# Altium PCB LimeSDR-QPCIe_1v2.PcbDoc (part 9 of 21)
Units mm, origin at the board's own origin, x right, y up, seen from the top; angles counter-clockwise.
Board outline 190 x 111.15 mm, 14 copper layers (Top, L2, L3, L4, L5, L6, L7, L8, L9, L10, L11, L12, L13, Bottom), stack 1.907 mm thick; 2014 components, 1408 nets, 9111 pads, 4171 vias.
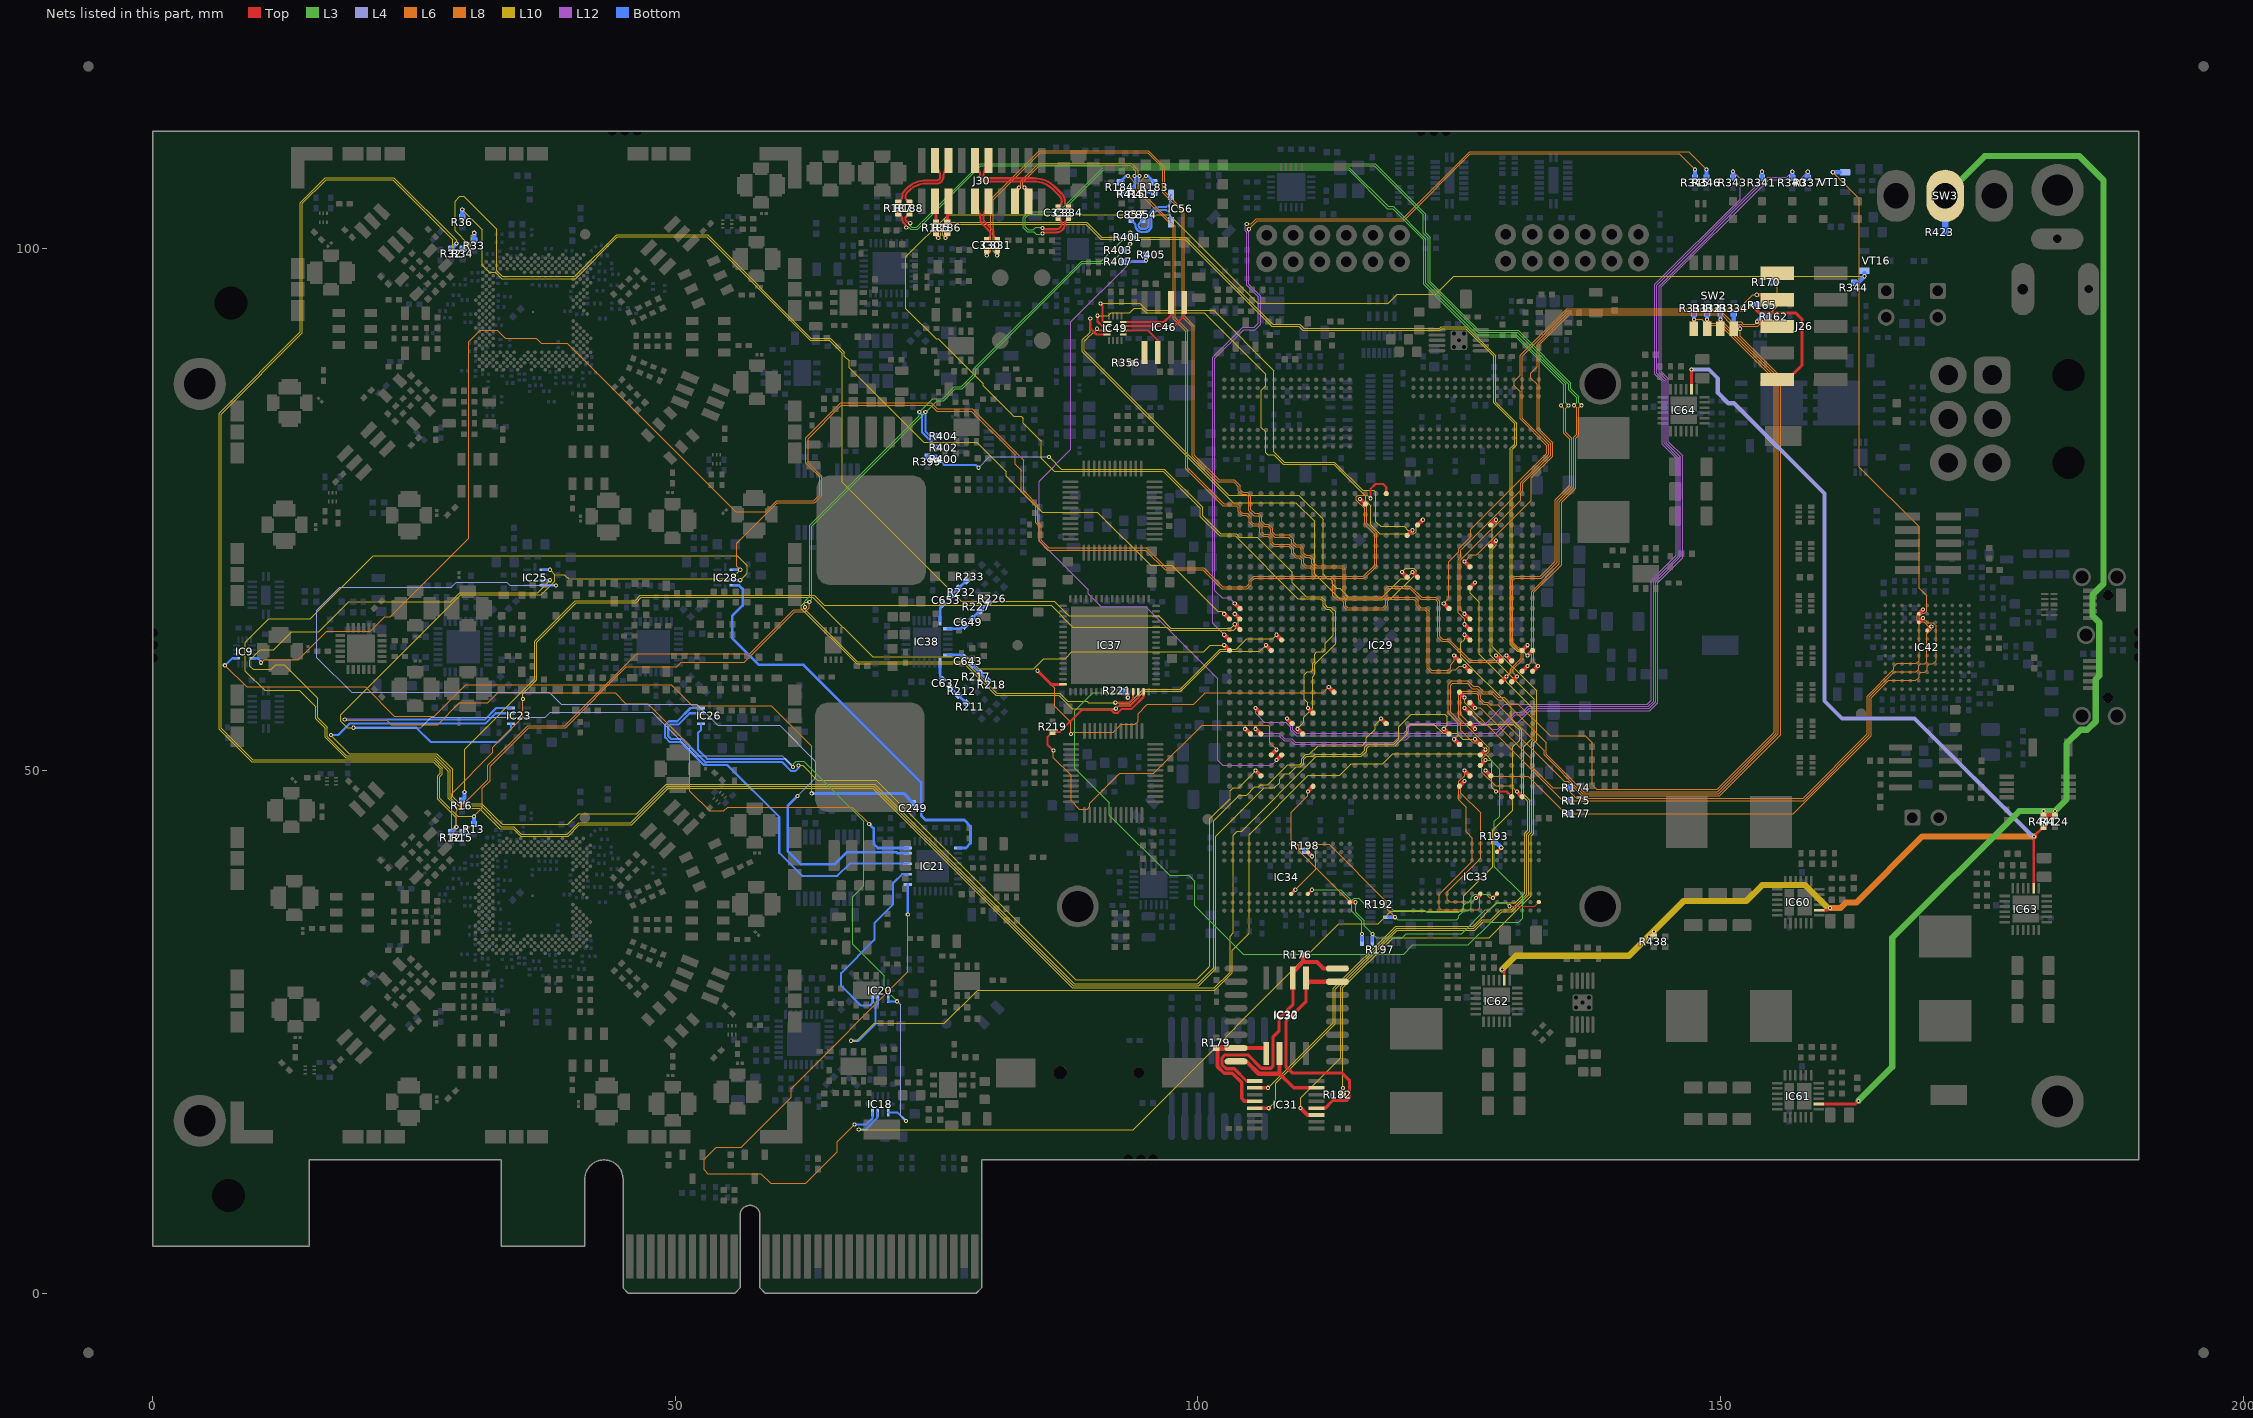
[diagram p21: the nets of this part, all layers, seen from the top]

## Via types
v1: diameter 0.4, hole 0.2, Top to Bottom, tented both sides, 3282 vias
v2: diameter 0.4, hole 0.2, Top to Bottom, tented top, 531 vias
v3: diameter 0.35, hole 0.2, Top to Bottom, tented top, 210 vias
v4: diameter 0.5, hole 0.2, Top to Bottom, tented both sides, 99 vias
v5: diameter 0.5, hole 0.2, Top to Bottom, tented bottom, 49 vias

## Nets (pads, with @x,y where several pads share a name; then routed paths per layer and width w, separated by ;. In a path a pad name is that pad's centre, name@x,y a point inside that pad or via, vN(x,y) a via of type N, cw(c..) or ccw(c..) an arc to the next point about the centre after c; other vN are vias at no path point) (continued)
DDR3_TOP_RASN: IC29.B8 IC33.J3 IC34.J3 R192.7 | length 44.1
  Top w0.1: v1(109.325,38.6) v1@109.37,38.555
  Top w0.309: IC34.J3@108.925,38.2 v1(109.325,38.6) ; v1(126.625,37.825) IC33.J3@127.025,38.225
  Top w0.4: IC29.B8@125.025,48.5 v2(125.525,49)
  L3 w0.1: v1(118.875,35.975) 119.141,35.709 124.77,35.709 124.975,35.914 124.975,36.104 125.444,36.574 125.869,36.574 126.175,36.88 126.175,37.375 v1(126.625,37.825)
  L6 w0.1: v1(109.325,38.6) 111.3,40.575 111.3,42.67 111.58,42.95 112.55,42.95 118.025,37.475 118.025,36.825 v1(118.875,35.975)
  L8 w0.1: v2(125.525,49) 125.175,48.65 125.175,47.855 127.075,45.955 127.075,41.616 123.875,38.416 123.875,37.68 124.08,37.475 126.275,37.475 v1(126.625,37.825)
  Bottom w0.254: R192.7@118.2,35.975 v1(118.875,35.975) v1@118.9,35.975
DDR3_TOP_RESETN: IC29.B22 IC33.T2 IC34.T2 R197.3 | length 37.6
  Top w0.1: v1(129.825,37.025) 132.225,37.025 IC33.T2@132.625,37.425
  Top w0.309: IC34.T2@114.525,37.4 v1(115.091,37.4)
  Top w0.4: v2(110.525,48) IC29.B22@111.025,48.5
  L3 w0.1: v1(115.091,37.4) 115.091,36.459 115.925,35.625 115.925,35.15 v1(116.7,34.375) 117.05,34.025 117.345,34.025 119.559,34.025 119.934,34.4 125.225,34.4 127.5,36.675 127.933,36.675 128.633,37.375 129.475,37.375 v1(129.825,37.025)
  L8 w0.1: v2(110.525,48) 110.525,47.575 108.95,46 108.95,43.28 109.28,42.95 109.47,42.95 109.675,42.745 109.675,42.325 114.6,37.4 v1(115.091,37.4)
  Bottom w0.254: R197.3@116.7,33.7 v1(116.7,34.375) v1@116.7,34.4
DDR3_TOP_RZQ0: IC33.L8 R193.1 | length 1.5
  Top w0.309: IC33.L8@128.625,42.225 v1(129.025,42.625)
  Bottom w0.4: R193.1@128.35,43.225 128.425,43.225 v1(129.025,42.625)
DDR3_TOP_RZQ1: IC34.L8 R198.1 | length 1.4
  Top w0.309: IC34.L8@110.525,42.2 v1(110.925,41.8)
  Bottom w0.4: R198.1@110.275,42.325 110.4,42.325 v1(110.925,41.8)
DDR3_TOP_WEN: IC29.C7 IC33.L3 IC34.L3 R197.1 | length 47.4
  Top w0.309: IC34.L3@110.525,38.2 v1(110.925,38.6) ; v1(128.225,37.825) IC33.L3@128.625,38.225
  Top w0.4: v2(125.525,50) IC29.C7@126.025,49.5
  L3 w0.1: v1(110.925,38.6) 113.686,38.6 114.741,37.545 ; v1(115.7,34.375) 115.7,35.567 114.741,36.526 114.741,37.545 ; v1(128.225,37.825) 127.875,38.175 126.48,38.175 126.175,37.87 126.175,37.68 125.87,37.375 125.68,37.375 125.375,37.07 125.375,36.88 124.945,36.45 121.892,36.45 121.717,36.625 118.7,36.625 118.5,36.825 116.325,36.825 115.375,37.775 114.971,37.775 114.741,37.545
  L8 w0.1: v2(125.525,50) 125.525,49.525 124.975,48.975 124.975,47.2 125.675,46.5 125.675,44.15 126.275,43.55 126.275,41.35 123.075,38.15 123.075,36.88 123.28,36.675 126.77,36.675 126.975,36.88 126.975,37.87 127.28,38.175 127.57,38.175 127.92,37.825 v1(128.225,37.825)
  Bottom w0.254: R197.1@115.7,33.7 v1(115.7,34.375) v1@115.7,34.4
DRVA_N: C637.2 IC38.19 | length 1.7
  Bottom w0.254: IC38.19@75.325,60.325 75.325,59.328 ccw(c76.203,59.328) C637.2@75.582,58.707
DRVA_P: C643.2 IC38.18 | length 1.7
  Bottom w0.254: IC38.18@76.075,61.075 77.047,61.075 cw(c77.047,60.172) C643.2@77.686,60.811
DRVAC_N: C637.1 R211.2 R212.2 | length 2.2
  Bottom w0.254: C637.1@76.289,58 R212.2@77.067,57.222 R211.2@77.845,56.444
DRVAC_P: C643.1 R217.1 R218.2 | length 2.2
  Bottom w0.254: C643.1@78.393,60.103 R217.1@79.171,59.326 R218.2@79.949,58.548
DRVB_N: C649.2 IC38.13 | length 1.7
  Bottom w0.254: IC38.13@76.075,63.575 77.072,63.575 ccw(c77.072,64.453) C649.2@77.693,63.832
DRVB_P: C653.2 IC38.12 | length 1.7
  Bottom w0.254: IC38.12@75.325,64.325 75.325,65.297 cw(c76.228,65.297) C653.2@75.589,65.936
DRVBC_N: C649.1 R226.2 R227.2 | length 2.2
  Bottom w0.254: C649.1@78.4,64.539 R227.2@79.178,65.317 R226.2@79.956,66.095
DRVBC_P: C653.1 R232.1 R233.2 | length 2.2
  Bottom w0.254: C653.1@76.297,66.643 R232.1@77.074,67.421 R233.2@77.852,68.199
EGC_N: C857.1 IC56.3 | length 6.8
  Bottom w0.2: C857.1@93.625,102.675 93.954,102.346 cw(c93.784,102.175) 94.025,102.175 ccw(c94.675,102.175) 94.675,101.525 94.9,101.525 ccw(c94.9,102.2) 95.575,102.2 95.575,102.8 cw(c96.4,102.8) 96.4,103.625 96.85,103.625 cw(c96.85,103.15) 97.325,103.15 97.325,102.716 ccw(c97.666,102.716) IC56.3@97.425,102.475
EGC_P: C854.1 IC56.4 | length 6.3
  Bottom w0.2: C854.1@94.725,102.675 94.396,102.346 ccw(c94.566,102.175) 94.325,102.175 ccw(c94.675,102.175) 94.675,101.825 94.9,101.825 ccw(c94.9,102.2) 95.275,102.2 95.275,102.8 cw(c96.4,102.8) 96.4,103.925 96.85,103.925 ccw(c96.85,104.4) 97.325,104.4 97.325,104.834 cw(c97.666,104.834) IC56.4@97.425,105.075
EN_REG: IC60.20 IC62.20 IC63.20 IC64.20 R438.2 R441.2 | length 132
  Top w0.25: v1(129.125,30.975) 129.325,30.775 IC62.20@129.325,29.95 ; IC64.20@147.225,86.475 v1(147.225,88.375) ; IC60.20@159.45,36.65 160.275,36.65 v1(160.475,36.85) ; IC63.20@179.963,38.75 179.963,43.688 R441.2@180.9,44.625
  L4 w0.4: v1(147.225,88.375) 148.9,88.375 149.75,87.525 149.75,86.15 150.75,85.15 151.3,85.15 159.95,76.5 159.95,56.675 161.625,55 168.576,55 179.876,43.7 v1(180,43.7)
  L10 w0.6: v1(129.125,30.975) 130.425,32.275 141.25,32.275 146.5,37.525 152.475,37.525 154,39.05 158.1,39.05 160.3,36.85 v1(160.475,36.85)
  L8 w0.6: v1(160.475,36.85) 161.45,36.85 161.975,37.375 163,37.375 169.325,43.7 v1(180,43.7)
  other v1: 143.15,34.125 143.625,34.6
EN_VCC1P1: IC61.20 R423.2 R424.1 R441.1 SW3.2 | length 126.9
  Top w0.25: IC61.20@159.425,18.1 162.9,18.1 v1(163.2,18.4)
  Top w0.6: R441.1@180.9,45.625 R424.1@182,45.625
  L3 w0.6: v1(163.2,18.4) 166.45,21.65 166.45,34 178.575,46.125 v1(180.9,46.125) v1(182,46.125) 183.1,47.225 183.1,52.55 184.45,53.9 185.1,53.9 185.9,54.7 185.9,58.725 186.254,59.079 186.254,64.171 185.6,64.825 185.6,66.825 186.65,67.875 186.65,106.5 184.35,108.8 175.3,108.8 SW3.2@171.5,105
  Bottom w0.6: R423.2@171.5,101.5 SW3.2@171.5,105
EXT_GXB_CLK_IC_N: IC29.N7 R184.1 | length 74.3
  Top w0.4: v2(125.525,60) IC29.N7@126.025,59.5
  L8 w0.1: v1(93.325,106.9) 94.075,106.15 94.075,105.592 97.65,102.017 97.65,93.234 98.825,92.059 98.825,78.9 102.375,75.35 103.67,75.35 103.875,75.145 103.875,74.75 104.2,74.425 104.625,74.425 104.925,74.125 104.925,73.75 105.266,73.409 105.709,73.409 105.941,73.176 105.941,72.709 106.241,72.409 106.709,72.409 106.916,72.201 106.916,71.759 107.225,71.45 108.675,71.45 108.975,71.15 108.975,70.742 109.342,70.375 109.675,70.375 109.925,70.125 109.925,69.742 110.267,69.4 110.725,69.4 110.925,69.2 110.925,68.742 111.267,68.4 112.62,68.4 112.925,68.095 112.925,66.742 113.317,66.35 113.701,66.35 113.95,66.101 113.95,65.692 114.242,65.4 117.783,65.4 118.175,65.792 118.175,66.25 118.3,66.375 120.645,66.375 120.875,66.145 120.875,65.767 121.242,65.4 121.692,65.4 121.925,65.167 121.925,59.775 122.317,59.383 124.05,59.383 124.316,59.65 124.67,59.65 125.02,60 v2(125.525,60)
  Bottom w0.254: R184.1@92.525,106.3 93.125,106.9 v1(93.325,106.9)
EXT_GXB_CLK_IC_P: IC29.P8 R183.1 | length 73.8
  Top w0.4: v2(124.525,61) IC29.P8@125.025,60.5
  L8 w0.1: v1(95.025,106.9) 94.275,106.15 94.275,105.675 97.85,102.1 97.85,93.317 99.025,92.142 99.025,78.983 102.458,75.55 103.753,75.55 104.075,75.228 104.075,74.833 104.283,74.625 104.708,74.625 105.125,74.208 105.125,73.833 105.349,73.609 105.791,73.609 106.141,73.259 106.141,72.791 106.324,72.609 106.791,72.609 107.116,72.284 107.116,71.841 107.308,71.65 108.758,71.65 109.175,71.233 109.175,70.825 109.425,70.575 109.758,70.575 110.125,70.208 110.125,69.825 110.35,69.6 110.808,69.6 111.125,69.283 111.125,68.825 111.35,68.6 112.703,68.6 113.125,68.178 113.125,66.825 113.4,66.55 113.784,66.55 114.15,66.184 114.15,65.775 114.325,65.6 117.7,65.6 117.975,65.875 117.975,66.333 118.217,66.575 120.728,66.575 121.075,66.228 121.075,65.85 121.325,65.6 121.775,65.6 122.125,65.25 122.125,59.858 122.4,59.583 123.967,59.583 124.175,59.791 124.175,60.145 124.525,60.495 v2(124.525,61)
  Bottom w0.254: v1(95.025,106.9) 95.225,106.9 R183.1@95.825,106.3
EXT_GXB_CLK_N: J30.17 R184.2 R415.1 | length 16.9
  Top w0.4: v1(83.425,105.775) 83.788,105.413 J30.17@83.788,104.475
  L8 w0.1: v1(83.425,105.775) 83.25,105.95 83.25,106.292 84.858,107.9 93.542,107.9 94.075,107.367 94.075,107.05 v1(93.925,106.9)
  Bottom w0.254: R184.2@92.525,105.3 92.78,105.3 ccw(c92.78,106.495) R415.1@93.625,105.65 93.785,105.81 ccw(c93.269,106.325) 93.998,106.325 93.998,106.724 ccw(c93.749,106.724) v1(93.925,106.9)
EXT_GXB_CLK_P: J30.15 R183.2 R413.1 | length 17.5
  Top w0.4: J30.15@82.513,104.475 82.512,105.413 v1(82.875,105.775)
  L8 w0.1: v1(82.875,105.775) 83.05,105.95 83.05,106.375 84.775,108.1 93.625,108.1 94.275,107.45 94.275,107.05 v1(94.425,106.9)
  Bottom w0.254: v1(94.425,106.9) ccw(c94.601,106.724) 94.352,106.724 94.352,106.325 ccw(c95.081,106.325) 94.565,105.81 R413.1@94.725,105.65 ccw(c95.57,106.495) 95.57,105.3 R183.2@95.825,105.3
EXT_GXB_RX6_IC_N: IC29.R1 R186.1 | length 91
  Top w0.3: v1(75.839,100.964) 76.05,101.175 R186.1@76.05,101.45
  Top w0.4: v2(131.525,61) IC29.R1@132.025,61.5
  L10 w0.1: v1(75.839,100.964) 75.6,101.203 75.6,101.6 76.275,102.275 89.267,102.275 90.717,100.825 98.742,100.825 107.067,92.5 107.825,92.5 109.65,92.5 110.025,92.125 123.208,92.125 123.363,92.28 125.649,92.28 128.3,89.629 128.3,85.175 130.309,83.166 130.309,81.241 129.9,80.833 129.9,62.042 130.542,61.4 131.125,61.4 v2(131.525,61)
EXT_GXB_RX6_IC_P: IC29.R2 R185.1 | length 91.3
  Top w0.3: R185.1@74.95,101.45 74.95,101.175 v1(75.161,100.964)
  Top w0.4: IC29.R2@131.025,61.5 v2(131.525,62)
  L10 w0.1: v1(75.161,100.964) 75.4,101.203 75.4,101.683 76.192,102.475 89.35,102.475 90.8,101.025 98.825,101.025 107.15,92.7 109.733,92.7 110.108,92.325 123.125,92.325 123.28,92.48 125.732,92.48 128.5,89.712 128.5,85.258 130.509,83.249 130.509,81.159 130.1,80.75 130.1,62.125 130.625,61.6 131.125,61.6 v2(131.525,62)
EXT_GXB_RX6_N: J30.5 R186.2 | length 1.9
  Top w0.309: R186.2@76.05,102.45 J30.5@76.05,104.362
EXT_GXB_RX6_P: J30.3 R185.2 | length 2
  Top w0.309: R185.2@74.95,102.45 J30.3@74.95,104.413
EXT_GXB_RX7_IC_N: IC29.N1 R188.1 | length 109.9
  Top w0.2: R188.1@72.4,103.325 72.092,103.017 ccw(c72.284,102.825) 72.013,102.825 72.013,102.751 ccw(c72.226,102.751) 72.075,102.6 72.17,102.505 ccw(c72.484,102.82) v1(72.484,102.375)
  Top w0.4: IC29.N1@132.025,59.5 v1(132.525,60)
  L3 w0.1: v1(72.484,102.375) 72.484,102.124 72.617,101.992 73.084,101.992 79.167,108.075 116.95,108.075 121.799,103.226 121.799,101.449 122.225,101.024 122.225,96.791 126.891,92.125 130.639,92.125 135.7,87.064 135.7,86.525 136.45,85.775 136.45,85.2 v1(136.7,84.95)
  L8 w0.1: v1(132.525,60) 132.125,60.4 132.125,67.042 134.8,69.717 134.8,75.659 136.175,77.034 136.175,81.817 136.45,82.092 136.45,83.025 136.45,84.7 v1(136.7,84.95)
EXT_GXB_RX7_IC_P: IC29.N2 R187.1 | length 110
  Top w0.2: R187.1@71.325,103.325 71.633,103.017 cw(c71.441,102.825) 71.713,102.825 71.713,102.751 ccw(c72.226,102.751) 71.863,102.388 71.976,102.275 cw(c71.676,101.975) v1(72.1,101.975)
  Top w0.4: IC29.N2@131.025,59.5 v1(131.525,60)
  L3 w0.1: v1(72.1,101.975) 72.351,101.975 72.534,101.792 73.167,101.792 73.175,101.8 79.25,107.875 116.867,107.875 121.558,103.184 121.558,101.408 122.025,100.941 122.025,96.708 126.808,91.925 130.556,91.925 135.5,86.981 135.5,86.442 136.25,85.692 136.25,85.2 v1(136,84.95)
  L8 w0.1: v1(131.525,60) 131.925,60.4 131.925,67.125 134.6,69.8 134.6,75.742 135.975,77.117 135.975,81.9 136.25,82.175 136.25,84.7 v1(136,84.95)
EXT_GXB_RX7_N: J30.6 R188.2 | length 6.5
  Top w0.2: R188.2@72.4,104.325 72.163,104.562 cw(c72.526,104.925) 72.013,104.925 cw(c72.526,104.925) 72.163,105.288 72.375,105.5 cw(c74.005,103.87) 74.005,106.175 75.025,106.175 ccw(c75.025,106.8) 75.65,106.8 75.65,106.839 cw(c76.973,106.839) 76.037,107.775 J30.6@76.138,107.875
EXT_GXB_RX7_P: J30.4 R187.2 | length 6.5
  Top w0.2: R187.2@71.325,104.325 R187.2@71.562,104.562 ; R187.2@71.562,104.562 ccw(c71.199,104.925) 71.713,104.925 cw(c72.526,104.925) 71.951,105.5 72.163,105.712 cw(c74.005,103.87) 74.005,106.475 75.025,106.475 ccw(c75.025,106.8) 75.35,106.8 75.35,106.839 ccw(c74.027,106.839) 74.963,107.775 J30.4@74.863,107.875
EXT_GXB_TX6_IC_N: C331.1 IC29.P3 | length 99.6
  Top w0.3: v1(80.8,99.3) C331.1@80.8,99.775
  Top w0.4: v2(129.525,61) IC29.P3@130.025,60.5
  L8 w0.1: v1(80.8,99.3) 80.4,99.7 80.4,104.6 84.925,109.125 95.192,109.125 96.65,107.667 96.65,105.3 98.5,103.45 98.5,93.425 99.475,92.45 99.475,80.1 101.95,77.625 103.417,77.625 103.875,77.167 103.875,76.767 104.192,76.45 104.625,76.45 104.875,76.2 104.875,74.867 105.342,74.4 105.725,74.4 105.9,74.225 105.9,73.783 106.308,73.375 106.675,73.375 106.95,73.1 106.95,72.733 107.333,72.35 108.38,72.35 108.67,72.35 108.975,72.045 108.975,71.767 109.342,71.4 109.7,71.4 109.9,71.2 109.9,70.767 110.267,70.4 110.667,70.4 110.9,70.167 110.9,69.792 111.292,69.4 113.725,69.4 113.925,69.2 113.925,66.692 114.267,66.35 117.675,66.35 118.125,66.8 118.125,67.325 118.25,67.45 120.25,67.45 121.325,66.375 122.7,66.375 122.95,66.125 122.95,62.775 123.35,62.375 123.942,62.375 125.967,60.35 128.908,60.35 129.125,60.567 129.125,60.85 129.275,61 v2(129.525,61)
EXT_GXB_TX6_IC_P: C330.1 IC29.P4 | length 99.6
  Top w0.3: v1(79.8,99.3) C330.1@79.8,99.775
  Top w0.4: v2(128.525,61) IC29.P4@129.025,60.5
  L8 w0.1: v1(79.8,99.3) 80.2,99.7 80.2,104.683 81.825,106.308 84.842,109.325 95.275,109.325 96.85,107.75 96.85,105.383 98.7,103.533 98.7,93.508 99.675,92.533 99.675,80.183 102.033,77.825 103.5,77.825 104.075,77.25 104.075,76.85 104.275,76.65 104.708,76.65 104.808,76.55 105.075,76.283 105.075,74.95 105.425,74.6 105.808,74.6 106.1,74.308 106.1,73.866 106.391,73.575 106.758,73.575 107.15,73.183 107.15,72.816 107.416,72.55 108.753,72.55 109.175,72.128 109.175,71.85 109.425,71.6 109.783,71.6 110.1,71.283 110.1,70.85 110.35,70.6 110.75,70.6 111.1,70.25 111.1,69.875 111.375,69.6 113.808,69.6 114.125,69.283 114.125,66.775 114.35,66.55 117.592,66.55 117.925,66.883 117.925,67.408 118.167,67.65 120.333,67.65 121.408,66.575 122.783,66.575 123.15,66.208 123.15,62.858 123.433,62.575 124.025,62.575 126.05,60.55 128.825,60.55 128.925,60.65 128.925,60.85 128.775,61 v2(128.525,61)
EXT_GXB_TX6_N: C331.2 J30.11 | length 3.8
  Top w0.2: J30.11@79.963,103.975 79.862,103.875 ccw(c80.798,102.939) 79.475,102.939 79.475,102.9 ccw(c80.141,102.9) 79.67,102.429 80.274,101.826 cw(c79.848,101.4) 80.45,101.4 ccw(c81.114,101.4) 80.644,100.931 C331.2@80.8,100.775
EXT_GXB_TX6_P: C330.2 J30.9 | length 3.8
  Top w0.2: J30.9@78.688,103.975 78.788,103.875 cw(c77.852,102.939) 79.175,102.939 79.175,102.9 ccw(c80.141,102.9) 79.458,102.217 80.062,101.613 cw(c79.848,101.4) 80.15,101.4 cw(c79.486,101.4) 79.956,100.931 C330.2@79.8,100.775
EXT_GXB_TX7_IC_N: C334.1 IC29.M3 | length 105.3
  Top w0.2: v1(85.15,101.375) cw(c85.275,101.375) 85.275,101.5 86.45,101.5 ccw(c86.45,102.325) 87.275,102.325 cw(c87.758,102.325) 87.416,102.666 C334.1@87.625,102.875
  Top w0.4: IC29.M3@130.025,58.5 v1(130.525,59)
  L3 w0.1: v1@85.1,101.3 84.53,101.3 84.28,101.55 83.692,101.55 83.3,101.942 83.3,102.958 83.792,103.45 86.675,103.45 90.9,107.675 114.5,107.675 118.2,103.975 118.708,103.975 121.825,100.858 121.825,96.625 126.725,91.725 130.474,91.725 135.2,86.999 135.2,85.175 v1(135.45,84.925)
  L8 w0.1: v1(130.525,59) 130.125,59.4 130.125,59.675 131.125,60.675 131.125,61.308 130.15,62.283 130.15,68.2 130.35,68.4 132.858,68.4 134.4,69.942 134.4,75.825 135.775,77.2 135.775,81.8 135.2,82.375 135.2,84.675 v1(135.45,84.925)
EXT_GXB_TX7_IC_P: C333.1 IC29.M4 | length 103.9
  Top w0.2: v1(85.125,101.925) ccw(c85.25,101.925) 85.25,101.8 86.45,101.8 ccw(c86.45,102.325) 86.975,102.325 ccw(c86.492,102.325) 86.834,102.666 C333.1@86.625,102.875
  Top w0.4: IC29.M4@129.025,58.5 v1(129.525,59)
  L3 w0.1: v1@85.075,101.975 v1(85.125,101.925) ; v1@85.075,102 84.505,102 84.255,101.75 83.775,101.75 83.5,102.025 83.5,102.875 83.875,103.25 86.758,103.25 90.983,107.475 114.417,107.475 118.117,103.775 118.625,103.775 121.625,100.775 121.625,96.542 126.642,91.525 130.391,91.525 135,86.916 135,85.175 v1(134.75,84.925)
  L8 w0.1: v1(129.525,59) 129.925,59.4 129.925,59.758 130.925,60.758 130.925,61.225 129.95,62.2 129.95,68.283 130.267,68.6 132.775,68.6 134.2,70.025 134.2,75.908 135.575,77.283 135.575,81.717 135,82.292 135,83 135,84.675 v1(134.75,84.925)
EXT_GXB_TX7_N: C334.2 J30.12 | length 10.8
  Top w0.2: J30.12@79.962,107.95 79.862,107.85 ccw(c80.798,106.914) 79.475,106.914 ccw(c79.714,106.914) 79.714,106.675 84.323,106.675 cw(c84.323,103.835) 86.331,105.843 86.957,105.217 cw(c86.19,104.45) 87.275,104.45 ccw(c87.818,104.45) 87.434,104.066 C334.2@87.625,103.875
EXT_GXB_TX7_P: C333.2 J30.10 | length 10.8
  Top w0.2: J30.10@78.687,107.95 78.788,107.85 cw(c77.852,106.914) 79.175,106.914 ccw(c79.714,106.914) 79.714,106.375 84.323,106.375 cw(c84.323,103.835) 86.119,105.631 86.745,105.005 cw(c86.19,104.45) 86.975,104.45 cw(c86.432,104.45) 86.816,104.066 C333.2@86.625,103.875
FAN_CTRL: IC29.J22 R344.1 VT16.G | length 171.1
  Top w0.4: v2(110.525,56) IC29.J22@111.025,55.5
  L10 w0.1: v2(110.525,56) 110.525,56.475 110.175,56.825 110.175,59.15 110.475,59.45 110.825,59.45 111,59.625 111,60.263 111.165,60.428 111.165,61.135 111.38,61.35 111.95,61.35 112.205,61.605 112.205,62.175 112.975,62.945 112.975,65.045 112.57,65.45 112.297,65.45 111.975,65.772 111.975,66.201 111.726,66.45 109.58,66.45 103.58,72.45 102.092,72.45 100.25,74.292 100.25,75.092 96.692,78.65 86.25,78.65 85.025,79.875 85.025,81.525 83.3,83.25 83.3,83.695 83.095,83.9 82.38,83.9 79.475,86.805 79.475,87.005 75.18,91.3 74.95,91.3 72.062,94.188 72.062,99.15 76.113,103.2 97.275,103.2 105.75,94.725 118.225,94.725 119.075,95.575 122.775,95.575 124.5,97.3 v1(163.775,97.3)
  Bottom w0.4: R344.1@162.775,96.675 163.15,96.675 v1(163.775,97.3) VT16.G@163.775,97.6
FLASH_AS_MISO: IC30.2 IC31.7 IC32.8 | length 12.1
  Top w0.35: 107.815,21 109.165,19.65 IC31.7@111.35,19.65
  Top w0.4: IC32.8@103.65,22.18 104.645,22.18 105.825,21 107.815,21 IC30.2@107.815,22.95 107.815,23.4 IC30.2@107.815,22.415
FLASH_AS_MOSI: IC30.5 IC31.4 IC32.15 | length 23.3
  Top w0.3: IC30.5@110.355,29.25 110.355,27.93 108.425,26 108.425,21.675 109.025,21.075 113.775,21.075 114.525,20.325 114.525,18.725 114.25,18.45 112.925,18.45 112.175,17.7 IC31.4@111.35,17.7
  Top w0.4: IC30.5@110.415,29.54 110.675,29.8 IC32.15@113.35,29.8
FLASH_AS_SCLK: IC30.6 IC31.9 IC32.16 R176.1 | length 24.4
  Top w0.3: IC31.9@105.45,20.3 104.65,20.3 103.475,21.475 102.7,21.475 102.3,21.875 102.3,22.5 102.6,22.8 104.8,22.8 106.075,21.525 106.975,21.525 107.175,21.725 107.175,24.5 107.775,25.1 107.775,26.3 109.085,27.61 IC30.6@109.085,29.6
  Top w0.4: IC30.6@109.085,30.685 110.075,31.675 ; R176.1@110.075,32.4 110.075,31.675 ; IC32.16@113.35,31.07 112.005,31.07 111.4,31.675 110.075,31.675
FLASH_AS_SS: IC30.1 IC31.12 IC32.7 R179.1 | length 12.5
  Top w0.35: R179.1@101.75,23.45 101.875,23.325 101.875,21.699 102.524,21.05 103.299,21.05 104.2,20.149 104.2,18.653 104.503,18.35 IC31.12@105.45,18.35
  Top w0.4: IC32.7@103.65,23.45 106.5,23.45 IC30.1@106.545,23.495
  Top w0.6: R179.1@101.75,23.45 103.25,23.45 IC32.7@103.65,23.45
FPGA_ADC_RESET: IC29.D6 IC37.12 R221.1 | length 84.6
  Top w0.3: v1(93.3,56.975) IC37.12@93.3,57.55
  Top w0.4: IC29.D6@127.025,50.5 v2(127.525,51)
  L3 w0.1: v1(93.3,56.975) 92.825,57.45 89.95,57.45 88.225,55.725 88.225,50.225 91.525,46.925 91.525,45.75 97.3,39.975 99.15,39.975 99.725,39.4 99.725,37.05 104.325,32.45 119.7,32.45 120.584,33.334 125.891,33.334 128.06,35.503 130.703,35.503 131.075,35.875 131.075,38.1 128.375,40.8 128.375,45.15 128.875,45.65 128.875,50.145 128.02,51 v2(127.525,51)
  Bottom w0.3: R221.1@92.8,57.625 93.3,57.125 v1(93.3,56.975)
FPGA_AS_ASDO: IC29.AG5 IC31.3 | length 75.4
  Top w0.35: v1(109.825,17.725) 110.5,17.05 IC31.3@111.35,17.05
  Top w0.4: IC29.AG5@128.025,73.5 v2(128.525,74)
  L10 w0.1: v1(109.825,17.725) 109.825,18.7 113.675,22.55 113.675,29.309 119.091,34.725 126.491,34.725 127.291,35.525 128.125,35.525 129.075,36.475 130.051,36.475 131.675,38.099 131.675,43.833 131.95,44.108 131.95,52.758 132.2,53.008 132.2,56.82 127.975,61.045 127.975,71.325 128.175,71.525 128.175,73.175 128.525,73.525 v2(128.525,74)
FPGA_AS_DATA1: IC29.AE5 R182.2 | length 68.7
  Top w0.4: v1(113.875,19.625) 113.875,19.075 R182.2@113.95,19 ; IC29.AE5@128.025,71.5 v2(128.525,72)
  L10 w0.1: v1(113.875,19.625) 113.875,29.226 118.674,34.025 127.886,34.025 131.875,38.014 131.875,43.75 132.15,44.025 132.15,52.675 132.4,52.925 132.4,57.62 128.175,61.845 128.175,71.2 128.525,71.55 v2(128.525,72)